# Altium PCB Fastino-DIOT.PCBDOC (part 20 of 22)
Units mm, origin at the board's own origin, x right, y up, seen from the top; angles counter-clockwise.
Board outline 222.63 x 100.1 mm, 8 copper layers (L1, L2, L3, P4, L5, L6, P7, L8), stack 1.563 mm thick; 1030 components, 787 nets, 3312 pads, 2498 vias.
Unrouted connection lines stored in the file: 424.
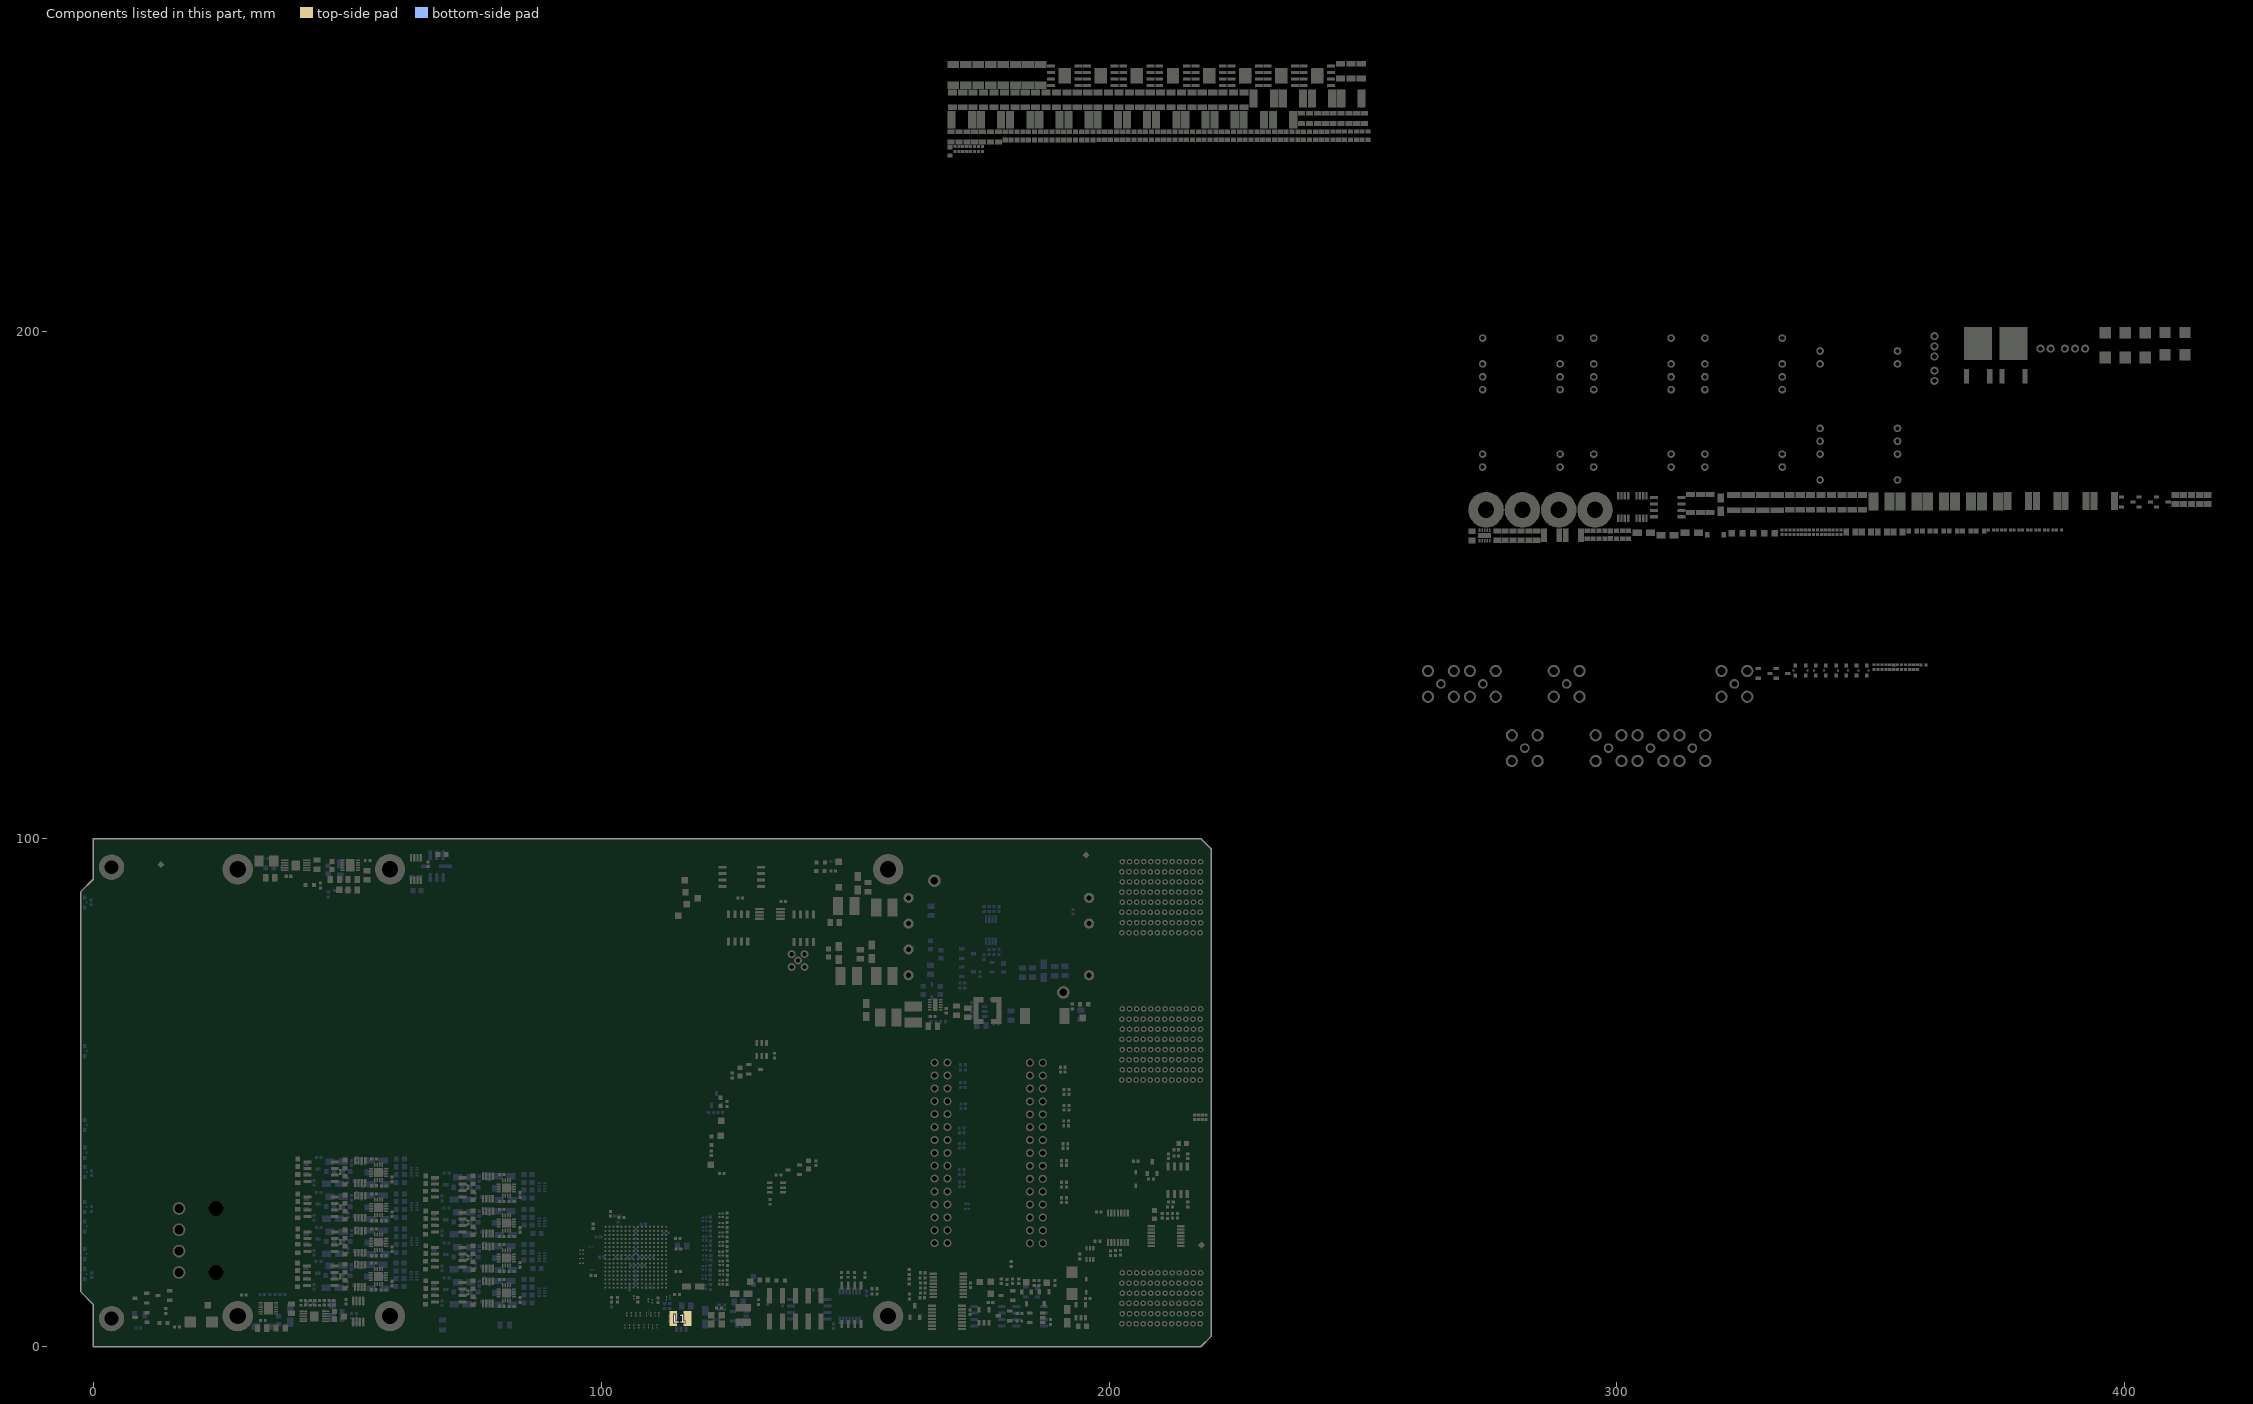
[diagram p26: the components of this part, seen from the top]

## Via types
v1: diameter 0.4, hole 0.2, L1 to L8, tented both sides, 1919 vias
v2: diameter 0.5, hole 0.2, L1 to L8, tented both sides, 270 vias
v3: diameter 0.4, hole 0.2, L1 to L8, 170 vias
v4: diameter 0.7, hole 0.4, L1 to L8, tented both sides, 110 vias
v5: diameter 0.7, hole 0.4, L1 to L8, 29 vias

## Nets (pads, with @x,y where several pads share a name; then routed paths per layer and width w, separated by ;. In a path a pad name is that pad's centre, name@x,y a point inside that pad or via, vN(x,y) a via of type N, cw(c..) or ccw(c..) an arc to the next point about the centre after c; other vN are vias at no path point) (continued)
copper on no net: (continued)
  L8 w0.127: -1.676,42.64 -1.672,42.635 -1.65,42.635 -1.638,42.623 -1.638,42.044 -1.005,41.411 -0.441,41.411 ; -0.457,77.905 -0.437,77.905 -0.211,78.132 -0.211,78.152 -0.203,78.159 -0.203,81.737 0.762,82.702 2.413,82.702 2.565,82.855 4.267,82.855 4.854,83.442 4.854,84.416 ; -0.406,58.169 -0.406,60.528 0.414,61.349 v1(6.253,61.349) ; -0.381,38.214 -0.362,38.233 -0.362,39.002 -0.482,39.122 -0.482,39.446 -0.254,39.675 0.07,39.675 0.085,39.659 0.213,39.659 1.143,40.589 4.318,40.589 4.369,40.538 v1(6.223,40.538) ; -0.374,17.983 -0.348,18.009 0.159,18.009 0.677,18.526 2.198,18.526 2.458,18.267 2.458,18.221 2.823,17.856 v1(2.848,17.856) ; -0.353,83.741 -0.333,83.741 0.121,83.287 3.48,83.287 3.554,83.361 3.554,84.416 ; -0.279,24.308 -0.228,24.257 v1(5.004,24.257) ; 1.194,15.392 1.295,15.291 2.296,15.291 2.673,14.914 2.673,14.124 2.834,13.963 ; v1(2.746,34.646) 2.746,34.719 2.827,34.8 2.827,35.295 3.053,35.522 3.073,35.522 ; v1(2.746,47.041) 2.776,47.011 2.776,46.48 3.003,46.254 3.023,46.254 ; 3.049,37.944 3.073,37.919 3.073,36.462 ; v1(3.553,77.503) 3.553,78.515 3.554,78.516 ; v1(4.048,46.99) 4.1,46.99 4.369,46.721 4.369,46.241 ; 4.103,64.299 4.103,63.436 5.461,62.078 5.923,62.078 6.091,61.91 6.805,61.91 6.972,62.078 7.496,62.078 7.861,61.713 8.395,61.713 8.76,62.078 9.788,62.078 10,62.29 v1(10.074,62.29) ; v1(4.166,87.579) 4.166,86.906 4.242,86.83 ; 4.753,64.299 4.753,63.243 4.928,63.068 5.212,63.068 5.695,62.586 5.985,62.586 6.091,62.691 6.828,62.691 6.933,62.586 7.347,62.586 7.966,61.967 8.29,61.967 8.909,62.586 9.452,62.586 9.656,62.789 11.461,62.789 v1(11.497,62.754) ; 4.854,78.516 4.861,78.509 v1(4.861,77.114) ; 5.403,64.299 5.403,63.237 5.787,62.852 5.893,62.852 5.986,62.945 6.748,62.945 7.078,62.945 7.183,62.84 9.347,62.84 9.754,63.246 9.989,63.246 10.125,63.11 10.449,63.11 10.585,63.246 v1(10.922,63.246) ; 5.512,86.843 5.532,86.843 6.192,87.503 8.279,87.503 8.482,87.3 v1(10.643,87.3) ; 5.664,46.292 5.664,46.796 5.886,47.018 v1(5.886,47.092) ; 5.74,35.547 5.74,35.103 v1(5.994,34.849) ; 6.053,64.299 6.053,63.799 6.287,63.565 6.287,63.495 6.584,63.199 7.217,63.199 7.307,63.108 8.601,63.108 8.78,63.287 8.93,63.287 9.143,63.5 v1(10.287,63.5) ; 6.154,78.516 6.088,78.45 6.088,75.75 5.862,75.524 5.862,71.045 6.253,70.654 6.253,66.379 v1(6.262,66.37) ; v1(6.253,75.362) 6.268,75.378 6.643,75.378 6.883,75.618 6.883,76.098 ; 6.655,86.83 6.693,86.868 v1(11.252,86.868) ; 7.01,35.573 7.023,35.56 v1(7.788,35.56) ; 7.036,46.266 7.048,46.279 v1(8.067,46.279) ; v1(7.417,83.236) 7.417,84.379 7.454,84.416 ; 41.916,42.796 41.923,42.789 42.111,42.789 ; 41.942,49.728 41.949,49.722 42.138,49.722 ; 41.942,56.615 41.949,56.608 42.138,56.608 ; 41.942,63.502 41.949,63.495 42.138,63.495 ; 41.942,70.388 41.949,70.381 42.138,70.381 ; 41.942,77.275 41.949,77.268 42.138,77.268 ; 41.942,84.161 41.949,84.155 42.138,84.155 ; 42.032,42.709 42.111,42.789 ; 42.058,49.642 42.138,49.722 ; 42.058,56.529 42.138,56.608 ; 42.058,63.415 42.138,63.495 ; 42.058,70.302 42.138,70.381 ; 42.058,77.188 42.138,77.268 ; 42.058,84.075 42.138,84.155 ; 42.149,42.827 42.111,42.789 ; 42.175,49.759 42.138,49.722 ; 42.175,56.646 42.138,56.608 ; 42.175,63.533 42.138,63.495 ; 42.175,70.419 42.138,70.381 ; 42.175,77.306 42.138,77.268 ; 42.175,84.192 42.138,84.155 ; 47.376,41.221 47.4,41.221 ; 47.402,48.154 47.426,48.154 ; 47.402,55.041 47.426,55.041 ; 47.402,61.927 47.426,61.927 ; 47.402,68.814 47.426,68.814 ; 47.402,75.7 47.426,75.7 ; 47.402,82.587 47.426,82.587 ; 50.394,41.347 50.598,41.143 ; 50.42,48.279 50.624,48.075 ; 50.42,55.166 50.624,54.962 ; 50.42,62.052 50.624,61.849 ; 50.42,68.939 50.624,68.735 ; 50.42,75.826 50.624,75.622 ; 50.42,82.712 50.624,82.508 ; 50.562,41.514 50.597,41.55 ; 50.588,48.447 50.624,48.482 ; 50.588,55.333 50.624,55.369 ; 50.588,62.22 50.624,62.256 ; 50.588,69.107 50.624,69.142 ; 50.588,75.993 50.624,76.029 ; 50.588,82.88 50.624,82.915 ; 51.744,44.206 51.832,44.295 53.421,44.295 53.82,43.896 54.095,43.896 54.269,43.722 54.469,43.522 ; 51.77,51.139 51.858,51.227 53.447,51.227 53.846,50.828 54.121,50.828 54.296,50.654 54.495,50.455 ; 51.77,58.025 51.858,58.114 53.447,58.114 53.846,57.715 54.121,57.715 54.296,57.541 54.495,57.341 ; 51.77,64.912 51.858,65.001 53.447,65.001 53.846,64.602 54.121,64.602 54.296,64.427 54.495,64.228 ; 51.77,71.798 51.858,71.887 53.447,71.887 53.846,71.488 54.121,71.488 54.296,71.314 54.495,71.115 ; 51.77,78.685 51.858,78.774 53.447,78.774 53.846,78.375 54.121,78.375 54.296,78.201 54.495,78.001 ; 51.77,85.572 51.858,85.66 53.447,85.66 53.846,85.261 54.121,85.261 54.296,85.087 54.495,84.888 ; 52.125,39.443 52.023,39.545 52.023,39.958 52.336,40.271 52.336,41.014 52.601,41.278 52.601,41.451 52.866,41.716 53.459,41.716 53.496,41.679 ; 52.151,46.376 52.049,46.478 52.049,46.891 52.362,47.204 52.362,47.946 52.627,48.211 52.627,48.383 52.892,48.648 53.485,48.648 53.522,48.611 ; 52.151,53.263 52.049,53.364 52.049,53.777 52.362,54.091 52.362,54.833 52.627,55.098 52.627,55.27 52.892,55.535 53.485,55.535 53.522,55.498 ; 52.151,60.149 52.049,60.251 52.049,60.664 52.362,60.977 52.362,61.719 52.627,61.984 52.627,62.157 52.892,62.421 53.485,62.421 53.522,62.384 ; 52.151,67.036 52.049,67.137 52.049,67.55 52.362,67.864 52.362,68.606 52.627,68.871 52.627,69.043 52.892,69.308 53.485,69.308 53.522,69.271 ; 52.151,73.922 52.049,74.024 52.049,74.437 52.362,74.75 52.362,75.492 52.627,75.757 52.627,75.93 52.892,76.195 53.485,76.195 53.522,76.158 ; 52.151,80.809 52.049,80.911 52.049,81.324 52.362,81.637 52.362,82.379 52.627,82.644 52.627,82.816 52.892,83.081 53.485,83.081 53.522,83.044 ; 52.772,42.809 52.785,42.822 ; 52.785,43.722 53.318,43.188 53.318,42.669 53.461,42.526 53.461,42.171 v1@53.491,42.141 ; 52.798,49.741 52.811,49.754 ; 52.798,56.628 52.811,56.641 ; 52.798,63.515 52.811,63.527 ; 52.798,70.401 52.811,70.414 ; 52.798,77.288 52.811,77.301 ; 52.798,84.174 52.811,84.187 ; 52.811,50.654 53.344,50.121 53.344,49.602 53.487,49.459 53.487,49.103 v1@53.517,49.074 ; 52.811,57.541 53.344,57.007 53.344,56.488 53.487,56.345 53.487,55.99 v1@53.517,55.96 ; 52.811,64.427 53.344,63.894 53.344,63.375 53.487,63.232 53.487,62.876 v1@53.517,62.847 ; 52.811,71.314 53.344,70.781 53.344,70.262 53.487,70.119 53.487,69.763 v1@53.517,69.734 ; 52.811,78.201 53.344,77.667 53.344,77.148 53.487,77.005 53.487,76.65 v1@53.517,76.62 ; 52.811,85.087 53.344,84.554 53.344,84.035 53.487,83.892 53.487,83.536 v1@53.517,83.507 ; v1@53.471,42.129 53.478,42.129 v1@53.491,42.141 ; v1@53.496,42.136 v1@53.491,42.141 ; v1@53.497,49.061 53.504,49.061 v1@53.517,49.074 ; v1@53.497,55.948 53.504,55.948 v1@53.517,55.96 ; v1@53.497,62.834 53.504,62.834 v1@53.517,62.847 ; v1@53.497,69.721 53.504,69.721 v1@53.517,69.734 ; v1@53.497,76.608 53.504,76.608 v1@53.517,76.62 ; v1@53.497,83.494 53.504,83.494 v1@53.517,83.507 ; v1@53.522,49.068 v1@53.517,49.074 ; v1@53.522,55.955 v1@53.517,55.96 ; v1@53.522,62.842 v1@53.517,62.847 ; v1@53.522,69.728 v1@53.517,69.734 ; v1@53.522,76.615 v1@53.517,76.62 ; v1@53.522,83.501 v1@53.517,83.507 ; 54.453,38.798 54.478,38.823 ; 54.479,45.73 54.504,45.756 ; 54.479,52.617 54.504,52.642 ; 54.479,59.504 54.504,59.529 ; 54.479,66.39 54.504,66.416 ; 54.479,73.277 54.504,73.302 ; 54.479,80.163 54.504,80.189 ; 55.35,39.113 55.499,39.262 ; 55.376,46.046 55.525,46.195 ; 55.376,52.932 55.525,53.081 ; 55.376,59.819 55.525,59.968 ; 55.376,66.706 55.525,66.855 ; 55.376,73.592 55.525,73.741 ; 55.376,80.479 55.525,80.628 ; 55.469,39.077 55.499,39.108 ; v3@55.477,40.485 v3@55.499,40.463 ; 55.495,46.01 55.525,46.041 ; 55.495,52.896 55.525,52.927 ; 55.495,59.783 55.525,59.814 ; 55.495,66.67 55.525,66.7 ; 55.495,73.556 55.525,73.587 ; 55.495,80.443 55.525,80.474 ; v3(55.499,40.495) 55.503,40.498 v3@55.503,40.51 ; v3@55.503,47.417 v3@55.525,47.395 ; v3@55.503,54.304 v3@55.525,54.282 ; v3@55.503,61.191 v3@55.525,61.169 ; v3@55.503,68.077 v3@55.525,68.055 ; v3@55.503,74.964 v3@55.525,74.942 ; v3@55.503,81.85 v3@55.525,81.828 ; v3(55.525,47.427) 55.529,47.431 v3@55.529,47.443 ; v3(55.525,54.314) 55.529,54.317 v3@55.529,54.329 ; v3(55.525,61.2) 55.529,61.204 v3@55.529,61.216 ; v3(55.525,68.087) 55.529,68.09 v3@55.529,68.103 ; v3(55.525,74.974) 55.529,74.977 v3@55.529,74.989 ; v3(55.525,81.86) 55.529,81.863 v3@55.529,81.876 ; 57.323,66.568 57.383,66.628 v1(57.383,67.645) ; 57.323,73.455 57.383,73.514 v1(57.383,74.532) ; 57.323,80.341 57.383,80.401 v1(57.383,81.419) ; v1(58.348,41.196) 58.348,40.796 59.223,39.921 59.223,39.641 59.456,39.407 59.482,39.407 ; v1(58.348,42.72) 58.637,42.43 59.863,42.43 ; v1(58.348,43.965) 59.471,43.965 59.507,43.929 ; v1(58.374,48.129) 58.374,47.728 59.249,46.853 59.249,46.573 59.482,46.34 59.508,46.34 ; v1(58.374,49.653) 58.663,49.363 59.889,49.363 ; v1(58.374,50.897) 59.497,50.897 59.533,50.861 ; v1(58.374,55.015) 58.374,54.615 59.249,53.74 59.249,53.46 59.482,53.227 59.508,53.227 ; v1(58.374,56.539) 58.663,56.249 59.889,56.249 ; v1(58.374,57.784) 59.497,57.784 59.533,57.748 ; v1(58.374,61.902) 58.374,61.502 59.249,60.627 59.249,60.347 59.482,60.113 59.508,60.113 ; v1(58.374,63.426) 58.663,63.136 59.889,63.136 ; v1(58.374,64.67) 59.497,64.67 59.533,64.634 ; v1(58.374,68.788) 58.374,68.388 59.249,67.513 59.249,67.233 59.482,67 59.508,67 ; v1(58.374,70.312) 58.663,70.022 59.889,70.022 ; v1(58.374,71.557) 59.497,71.557 59.533,71.521 ; v1(58.374,75.675) 58.374,75.275 59.249,74.4 59.249,74.12 59.482,73.886 59.508,73.886 ; v1(58.374,77.199) 58.663,76.909 59.889,76.909 ; v1(58.374,78.444) 59.497,78.444 59.533,78.408 ; v1(58.374,82.562) 58.374,82.161 59.249,81.286 59.249,81.006 59.482,80.773 59.508,80.773 ; v1(58.374,84.086) 58.663,83.796 59.889,83.796 ; v1(58.374,85.33) 59.497,85.33 59.533,85.294 ; 58.906,41.501 v1(58.348,42.06) 58.353,42.06 59.583,40.83 59.66,40.83 ; 58.932,48.433 v1(58.374,48.992) 58.379,48.992 59.609,47.762 59.686,47.762 ; 58.932,55.32 v1(58.374,55.879) 58.379,55.879 59.609,54.649 59.686,54.649 ; 58.932,62.207 v1(58.374,62.765) 58.379,62.765 59.609,61.536 59.686,61.536 ; 58.932,69.093 v1(58.374,69.652) 58.379,69.652 59.609,68.422 59.686,68.422 ; 58.932,75.98 v1(58.374,76.539) 58.379,76.539 59.609,75.309 59.686,75.309 ; 58.932,82.866 v1(58.374,83.425) 58.379,83.425 59.609,82.195 59.686,82.195 ; 61.234,39.204 61.234,39.229 62.353,40.348 62.353,40.501 62.454,40.601 ; 61.234,40.754 61.557,41.077 62.587,41.077 62.631,41.033 ; 61.234,42.303 61.234,42.278 61.935,41.577 62.439,41.577 62.479,41.617 ; 61.234,43.852 61.234,43.827 62.631,42.43 62.631,42.1 ; 61.26,46.137 61.26,46.162 62.379,47.281 62.379,47.434 62.48,47.534 ; 61.26,47.686 61.583,48.01 62.613,48.01 62.657,47.966 ; 61.26,49.236 61.26,49.211 61.961,48.51 62.465,48.51 62.505,48.55 ; 61.26,50.785 61.26,50.76 62.657,49.363 62.657,49.032 ; 61.26,53.023 61.26,53.048 62.379,54.168 62.379,54.32 62.48,54.42 ; 61.26,54.573 61.583,54.896 62.613,54.896 62.657,54.852 ; 61.26,56.122 61.26,56.097 61.961,55.396 62.465,55.396 62.505,55.436 ; 61.26,57.672 61.26,57.647 62.657,56.249 62.657,55.919 ; 61.26,59.91 61.26,59.935 62.379,61.054 62.379,61.207 62.48,61.307 ; 61.26,61.459 61.583,61.783 62.613,61.783 62.657,61.739 ; 61.26,63.009 61.26,62.984 61.961,62.283 62.465,62.283 62.505,62.323 ; 61.26,64.558 61.26,64.533 62.657,63.136 62.657,62.806 ; 61.26,66.797 61.26,66.822 62.379,67.941 62.379,68.093 62.48,68.194 ; 61.26,68.346 61.583,68.669 62.613,68.669 62.657,68.625 ; 61.26,69.895 61.26,69.87 61.961,69.169 62.465,69.169 62.505,69.21 ; 61.26,71.445 61.26,71.42 62.657,70.023 62.657,69.692 ; 61.26,73.683 61.26,73.708 62.379,74.827 62.379,74.98 62.48,75.08 ; 61.26,75.233 61.583,75.556 62.613,75.556 62.657,75.512 ; 61.26,76.782 61.26,76.757 61.961,76.056 62.465,76.056 62.505,76.096 ; 61.26,78.331 61.26,78.306 62.657,76.909 62.657,76.579 ; 61.26,80.57 61.26,80.595 62.379,81.714 62.379,81.867 62.48,81.967 ; 61.26,82.119 61.583,82.443 62.613,82.443 62.657,82.399 ; 61.26,83.669 61.26,83.644 61.961,82.943 62.465,82.943 62.505,82.983 ; 61.26,85.218 61.26,85.193 62.657,83.796 62.657,83.465 ; 62.634,40.561 62.869,40.561 ; 62.66,47.494 62.895,47.494 ; 62.66,54.38 62.895,54.38 ; 62.66,61.267 62.895,61.267 ; 62.66,68.153 62.895,68.153 ; 62.66,75.04 62.895,75.04 ; 62.66,81.927 62.895,81.927 ; 67.067,39.723 67.074,39.716 67.263,39.716 ; 67.067,46.61 67.074,46.603 67.263,46.603 ; 67.067,53.496 67.074,53.49 67.263,53.49 ; 67.067,60.383 67.074,60.376 67.263,60.376 ; 67.067,67.27 67.074,67.263 67.263,67.263 ; 67.067,74.139 67.074,74.132 67.262,74.132 ; 67.067,81.025 67.074,81.019 67.262,81.019 ; 67.067,87.912 67.074,87.905 67.262,87.905 ; 67.183,39.637 67.263,39.716 ; 67.183,46.523 67.263,46.603 ; 67.183,53.41 67.263,53.49 ; 67.183,60.297 67.263,60.376 ; 67.183,67.183 67.263,67.263 ; 67.183,74.052 67.262,74.132 ; 67.183,80.939 67.262,81.019 ; 67.183,87.826 67.262,87.905 ; 67.3,39.754 67.263,39.716 ; 67.3,46.641 67.263,46.603 ; 67.3,53.527 67.263,53.49 ; 67.3,60.414 67.263,60.376 ; 67.3,67.3 67.263,67.263 ; 67.3,74.17 67.262,74.132 ; 67.3,81.056 67.262,81.019 ; 67.3,87.943 67.262,87.905 ; 72.527,38.149 72.551,38.149 ; 72.527,45.035 72.551,45.035 ; 72.527,51.922 72.551,51.922 ; 72.527,58.808 72.551,58.808 ; 72.527,72.564 72.551,72.564 ; 72.527,79.451 72.551,79.451 ; 72.527,86.337 72.551,86.337 ; 75.545,72.69 75.749,72.486 ; 75.545,79.576 75.749,79.372 ; 75.545,86.463 75.749,86.259 ; 75.545,38.274 75.749,38.07 ; 75.545,45.161 75.749,44.957 ; 75.545,52.047 75.749,51.843 ; 75.545,58.934 75.749,58.73 ; 75.545,65.82 75.749,65.616 ; v1(75.616,96.291) 75.665,96.242 82.433,96.242 82.525,96.15 ; 75.713,38.441 75.749,38.477 ; 75.713,45.328 75.749,45.364 ; 75.713,52.215 75.749,52.25 ; 75.713,59.101 75.749,59.137 ; 75.713,65.988 75.749,66.024 ; 75.713,72.857 75.748,72.893 ; 75.713,79.744 75.748,79.779 ; 75.713,86.63 75.748,86.666 ; v1@75.827,94.272 76.429,94.272 ; 76.429,94.234 76.593,94.07 76.593,93.015 77.343,92.265 83.981,92.265 84.608,92.892 84.608,93.739 84.687,93.818 84.687,94.142 84.608,94.221 84.608,94.921 84.69,95.003 ; 76.895,41.133 76.983,41.222 78.572,41.222 78.971,40.823 79.246,40.823 79.421,40.649 79.62,40.45 ; 76.895,48.02 76.983,48.109 78.572,48.109 78.971,47.71 79.246,47.71 79.421,47.535 79.62,47.336 ; 76.895,54.906 76.983,54.995 78.572,54.995 78.971,54.596 79.246,54.596 79.421,54.422 79.62,54.223 ; 76.895,61.793 76.983,61.882 78.572,61.882 78.971,61.483 79.246,61.483 79.421,61.309 79.62,61.109 ; 76.895,68.68 76.983,68.768 78.572,68.768 78.971,68.37 79.246,68.37 79.421,68.195 79.62,67.996 ; 76.894,75.549 76.983,75.638 78.572,75.638 78.971,75.239 79.246,75.239 79.42,75.064 79.62,74.865 ; 76.894,82.435 76.983,82.524 78.572,82.524 78.971,82.125 79.246,82.125 79.42,81.951 79.62,81.752 ; 76.894,89.322 76.983,89.411 78.572,89.411 78.971,89.012 79.246,89.012 79.42,88.838 79.62,88.638 ; 77.276,36.371 77.174,36.472 77.174,36.885 77.488,37.199 77.488,37.941 77.752,38.206 77.752,38.378 78.017,38.643 78.61,38.643 78.647,38.606 ; 77.276,43.257 77.174,43.359 77.174,43.772 77.488,44.085 77.488,44.827 77.752,45.092 77.752,45.265 78.017,45.53 78.61,45.53 78.647,45.492 ; 77.276,50.144 77.174,50.245 77.174,50.658 77.488,50.972 77.488,51.714 77.752,51.979 77.752,52.151 78.017,52.416 78.61,52.416 78.647,52.379 ; 77.276,57.03 77.174,57.132 77.174,57.545 77.488,57.859 77.488,58.601 77.752,58.866 77.752,59.038 78.017,59.303 78.61,59.303 78.647,59.266 ; 77.276,63.917 77.174,64.019 77.174,64.432 77.488,64.745 77.488,65.487 77.752,65.752 77.752,65.924 78.017,66.189 78.61,66.189 78.647,66.152 ; 77.275,70.786 77.174,70.888 77.174,71.301 77.487,71.614 77.487,72.356 77.752,72.621 77.752,72.794 78.017,73.059 78.61,73.059 78.647,73.021 ; 77.275,77.673 77.174,77.774 77.174,78.187 77.487,78.501 77.487,79.243 77.752,79.508 77.752,79.68 78.017,79.945 78.61,79.945 78.647,79.908 ; 77.275,84.559 77.174,84.661 77.174,85.074 77.487,85.388 77.487,86.13 77.752,86.394 77.752,86.567 78.017,86.832 78.61,86.832 78.647,86.795 ; 77.923,39.736 77.936,39.749 ; 77.923,46.623 77.936,46.635 ; 77.923,53.509 77.936,53.522 ; 77.923,60.396 77.936,60.409 ; 77.923,67.283 77.936,67.295 ; 77.923,74.152 77.936,74.164 ; 77.923,81.038 77.936,81.051 ; 77.923,87.925 77.936,87.938 ; 77.936,40.649 78.469,40.115 78.469,39.596 78.612,39.454 78.612,39.098 v1@78.642,39.069 ; 77.936,47.535 78.469,47.002 78.469,46.483 78.612,46.34 78.612,45.985 v1@78.642,45.955 ; 77.936,54.422 78.469,53.889 78.469,53.37 78.612,53.227 78.612,52.871 v1@78.642,52.842 ; 77.936,61.309 78.469,60.775 78.469,60.256 78.612,60.113 78.612,59.758 v1@78.642,59.728 ; 77.936,68.195 78.469,67.662 78.469,67.143 78.612,67 78.612,66.644 v1@78.642,66.615 ; 77.936,75.064 78.469,74.531 78.469,74.012 78.612,73.869 78.612,73.514 v1@78.642,73.484 ; 77.936,81.951 78.469,81.418 78.469,80.899 78.612,80.756 78.612,80.4 v1@78.642,80.371 ; 77.936,88.838 78.469,88.304 78.469,87.785 78.612,87.642 78.612,87.287 v1@78.642,87.257 ; 78.093,93.015 78.144,93.066 v1(78.867,93.066) ; v1@78.622,39.056 78.629,39.056 v1@78.642,39.069 ; v1@78.622,45.942 78.629,45.942 v1@78.642,45.955 ; v1@78.622,52.829 78.629,52.829 v1@78.642,52.842 ; v1@78.622,59.716 78.629,59.716 v1@78.642,59.728 ; v1@78.622,66.602 78.629,66.602 v1@78.642,66.615 ; v1@78.622,73.471 78.629,73.471 v1@78.642,73.484 ; v1@78.622,80.358 78.629,80.358 v1@78.642,80.371 ; v1@78.622,87.245 78.629,87.245 v1@78.642,87.257 ; v1@78.647,39.063 v1@78.642,39.069 ; v1@78.647,45.95 v1@78.642,45.955 ; v1@78.647,52.836 v1@78.642,52.842 ; v1@78.647,59.723 v1@78.642,59.728 ; v1@78.647,66.609 v1@78.642,66.615 ; v1@78.647,73.479 v1@78.642,73.484 ; v1@78.647,80.365 v1@78.642,80.371 ; v1@78.647,87.252 v1@78.642,87.257 ; 79.604,35.725 79.629,35.751 ; 79.604,42.612 79.629,42.637 ; 79.604,49.498 79.629,49.524 ; 79.604,56.385 79.629,56.41 ; 79.604,63.272 79.629,63.297 ; 79.603,70.141 79.629,70.166 ; 79.603,77.027 79.629,77.053 ; 79.603,83.914 79.629,83.939 ; 80.501,36.04 80.65,36.189 ; 80.501,42.927 80.65,43.076 ; 80.501,49.814 80.65,49.963 ; 80.501,56.7 80.65,56.849 ; 80.501,63.587 80.65,63.736 ; 80.501,70.456 80.65,70.605 ; 80.501,77.343 80.65,77.492 ; 80.501,84.229 80.65,84.378 ; 80.62,36.005 80.65,36.035 ; 80.62,42.891 80.65,42.922 ; 80.62,49.778 80.65,49.809 ; 80.62,56.664 80.65,56.695 ; 80.62,63.551 80.65,63.582 ; 80.619,70.42 80.65,70.451 ; 80.619,77.307 80.65,77.338 ; 80.619,84.193 80.65,84.224 ; v3@80.628,37.412 v3@80.65,37.39 ; v3@80.628,44.299 v3@80.65,44.277 ; v3@80.628,51.185 v3@80.65,51.163 ; v3@80.628,58.072 v3@80.65,58.05 ; v3@80.628,64.958 v3@80.65,64.936 ; v3@80.628,71.828 v3@80.65,71.806 ; v3@80.628,78.714 v3@80.65,78.692 ; v3@80.628,85.601 v3@80.65,85.579 ; v3(80.65,37.422) 80.654,37.425 v3@80.654,37.437 ; v3(80.65,44.308) 80.654,44.312 v3@80.654,44.324 ; v3(80.65,51.195) 80.654,51.198 v3@80.654,51.211 ; v3(80.65,58.082) 80.654,58.085 v3@80.654,58.097 ; v3(80.65,64.968) 80.654,64.972 v3@80.654,64.984 ; v3(80.65,71.837) 80.654,71.841 v3@80.654,71.853 ; v3(80.65,78.724) 80.654,78.727 v3@80.654,78.74 ; v3(80.65,85.611) 80.654,85.614 v3@80.654,85.626 ; 82.448,35.903 82.508,35.963 v1(82.508,36.98) ; 82.448,42.79 82.508,42.849 v1(82.508,43.867) ; 82.448,49.676 82.508,49.736 v1(82.508,50.753) ; 82.448,56.563 82.508,56.622 v1(82.508,57.64) ; 82.448,63.449 82.508,63.509 v1(82.508,64.527) ; 82.448,70.319 82.508,70.378 v1(82.508,71.396) ; 82.448,77.205 82.508,77.265 v1(82.508,78.282) ; 82.448,84.092 82.508,84.151 v1(82.508,85.169) ; v1(83.448,89.03) 83.498,89.081 84.622,89.081 84.658,89.045 ; v1(83.499,38.123) 83.499,37.723 84.374,36.848 84.374,36.568 84.607,36.335 84.633,36.335 ; v1(83.499,38.987) 83.504,38.987 84.734,37.757 84.811,37.757 ; v1(83.499,39.647) 83.788,39.357 85.014,39.357 ; v1(83.499,40.892) 84.622,40.892 84.658,40.856 ; v1(83.499,45.01) 83.499,44.61 84.374,43.735 84.374,43.455 84.607,43.221 84.633,43.221 ; v1(83.499,45.873) 83.504,45.873 84.734,44.644 84.811,44.644 ; v1(83.499,46.534) 83.788,46.244 85.014,46.244 ; v1(83.499,47.778) 84.622,47.778 84.658,47.743 ; v1(83.499,51.896) 83.499,51.496 84.374,50.621 84.374,50.341 84.607,50.108 84.633,50.108 ; v1(83.499,52.76) 83.504,52.76 84.734,51.53 84.811,51.53 ; v1(83.499,53.42) 83.788,53.131 85.014,53.131 ; v1(83.499,54.665) 84.622,54.665 84.658,54.629 ; v1(83.499,58.783) 